# Altium PCB OpenRec.PcbDoc (part 4 of 4) (continued)
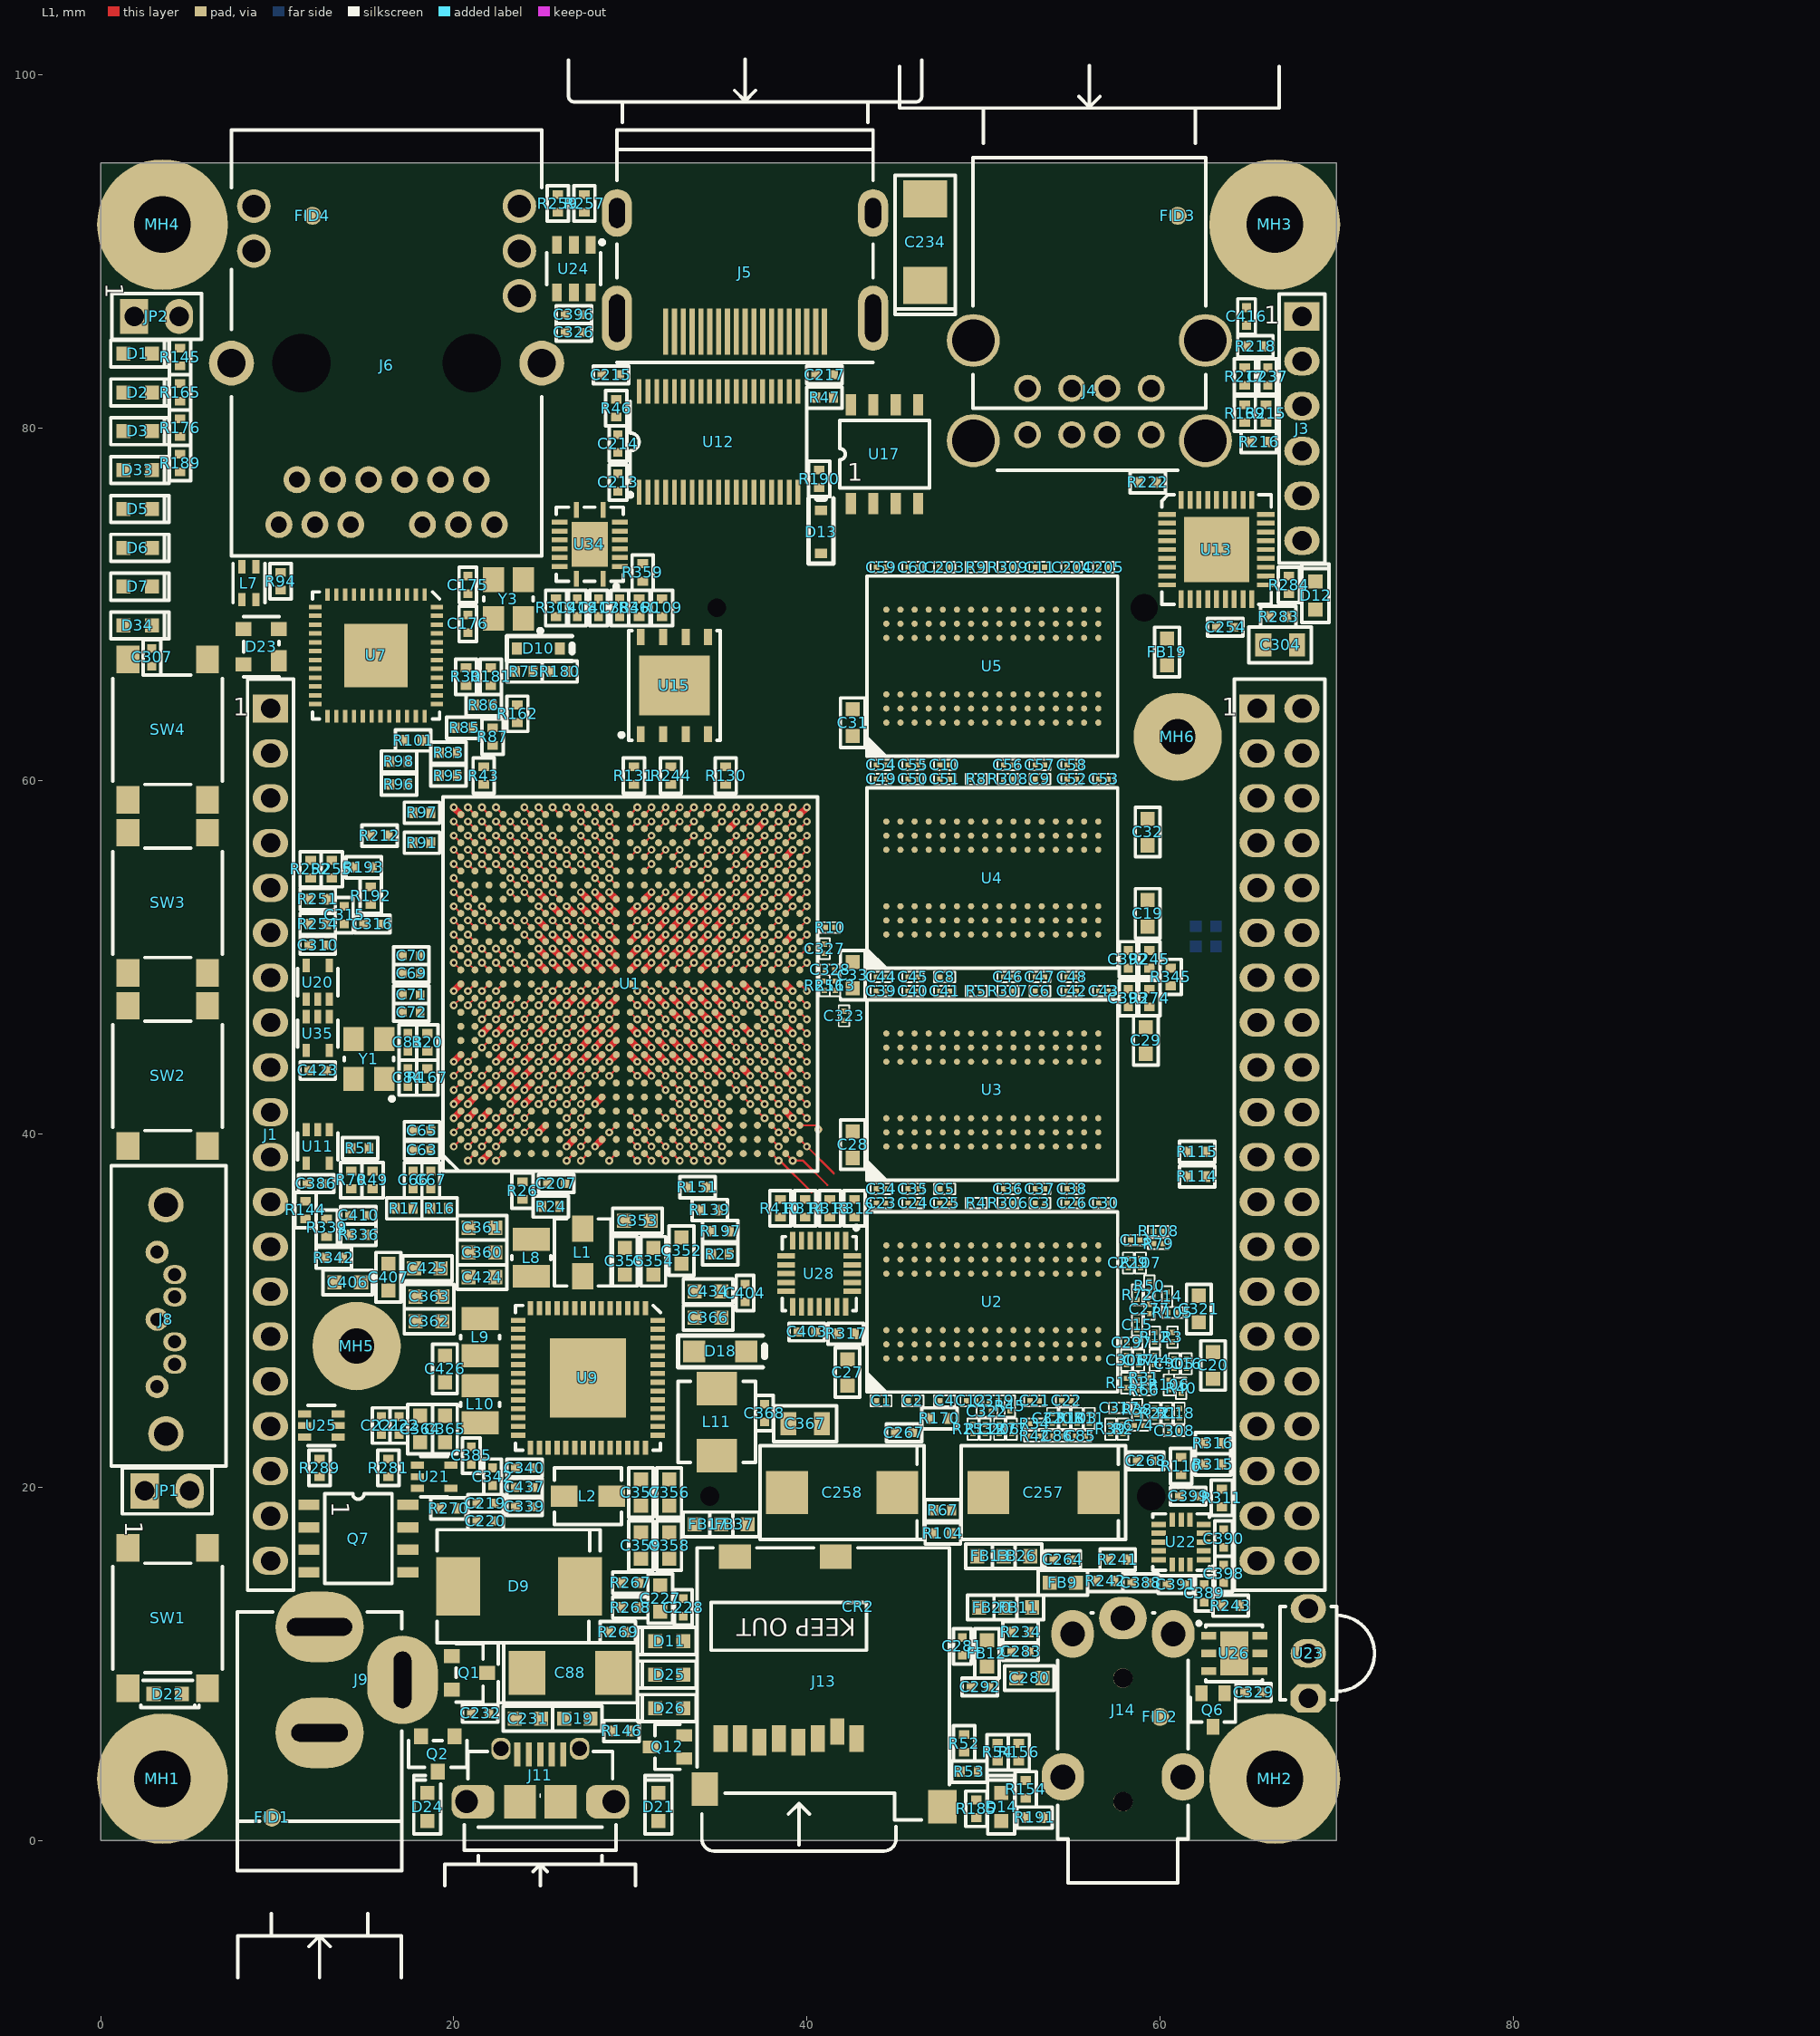
[diagram p0: L1 view]
## Nets (pads, with @x,y where several pads share a name; then routed paths per layer and width w, separated by ;. In a path a pad name is that pad's centre, name@x,y a point inside that pad or via, vN(x,y) a via of type N, cw(c..) or ccw(c..) an arc to the next point about the centre after c; other vN are vias at no path point) (continued)
GPIO_OR_CLK: J2.7 U1.A17 | length 0.6
  L1 w0.12: v1(20,52.1) U1.A17@20.4,51.7
GPIO_OR_PWM_1: J2.29 U1.R22 | length 0.6
  L1 w0.12: U1.R22@31.6,55.7 v1(32,56.1)
GPIO_OR_PWM_2: R368.1 R369.1 U1.T25 | length 0.6
  L1 w0.12: U1.T25@32.4,58.1 v1(32.8,58.5)
GPIO_OR_PWM_3: J2.32 U1.B19 | length 0.6
  L1 w0.12: v1(20.8,53.7) U1.B19@21.2,53.3
GPIO_OR_PWM_4: J2.33 U1.F17 | length 0.6
  L1 w0.12: v1(24,52.1) U1.F17@24.4,51.7
GYRO_CS_B: R317.2 U28.17
GYRO_INT: R313.2 R314.2 R410.1 U1.N24 | length 0.6
  L1 w0.12: U1.N24@30,57.3 v1(30.4,57.7)
GYRO_INT1: R314.1 U28.3
GYRO_PWR_CTRL: R312.2 R313.1 U28.2
GYRO_RST: R318.2 R383.2 U28.4
HDMI_CEC: R25.1 U1.W4 | length 0.6
  L1 w0.12: U1.W4@34.8,41.3 v1(35.2,40.9)
HDMI_CEC_CON: J5.13 R190.2 U12.23
HDMI_CEC_IN: R24.2 R25.2 R118.1 U12.16
HDMI_CLK_N: J5.12 U1.J5 U12.15 U12.24 | length 0.6
  L1 w0.1: v1(26.4,41.7) U1.J5@26.8,42.1
HDMI_CLK_P: J5.10 U1.J6 U12.13 U12.26 | length 0.6
  L1 w0.1: v1(26.4,42.5) U1.J6@26.8,42.9
HDMI_D0_N: J5.9 U1.K5 U12.12 U12.27 | length 0.6
  L1 w0.1: v1(27.2,41.7) U1.K5@27.6,42.1
HDMI_D0_P: J5.7 U1.K6 U12.10 U12.29 | length 0.6
  L1 w0.1: v1(27.2,42.5) U1.K6@27.6,42.9
HDMI_D1_N: J5.6 U1.J3 U12.9 U12.30 | length 0.6
  L1 w0.1: v1(26.4,40.1) U1.J3@26.8,40.5
HDMI_D1_P: J5.4 U1.J4 U12.7 U12.32 | length 0.6
  L1 w0.1: v1(26.4,40.9) U1.J4@26.8,41.3
HDMI_D2_N: J5.3 U1.K3 U12.6 U12.33 | length 0.6
  L1 w0.1: v1(27.2,40.1) U1.K3@27.6,40.5
HDMI_D2_P: J5.1 U1.K4 U12.4 U12.35 | length 0.6
  L1 w0.1: v1(27.2,40.9) U1.K4@27.6,41.3
HDMI_DDC: R24.1 R26.2 U1.K2 | length 0.6
  L1 w0.12: v1(27.2,39.3) U1.K2@27.6,39.7
HDMI_ESD_BYP: C215.1 U12.37
HDMI_HPD: R23.2 R357.2 U33.4
HDMI_HPD_BUFF: R356.1 R357.1 U12.19 U33.2
HDMI_HPD_CON: C217.1 J5.19 R47.2 U12.20
HDMI_HPD_R: C207.1 R21.1 R23.1 R157.2 U1.K1 | length 0.6
  L1 w0.12: v1(27.2,38.5) U1.K1@27.6,38.9
HDMI_RESREF: R32.2 U1.J1 | length 0.6
  L1 w0.12: v1(26.4,38.5) U1.J1@26.8,38.9
HDMI_SCL_CON: J5.15 R183.1
HDMI_SCL_CON_R: R183.2 R188.1 U12.22
HDMI_SDA_CON: J5.16 R184.1
HDMI_SDA_CON_R: R184.2 R187.1 U12.21
HP_OUT_L: C285.1 C289.1 C290.2 FB22.1 R231.2
HP_OUT_R: C284.1 C288.1 C291.2 FB21.1 R230.2
HUB_CFG_SEL0: R221.2 U13.24
HUB_CFG_SEL1: R220.2 U13.25
HUB_CRFILT: C254.1 U13.14
HUB_LED: D12.2 R219.1
HUB_NON_REM1: R224.2 U13.22
HUB_PLLFILT: C253.1 U13.34
HUB_RBIAS: R222.1 U13.35
HUB_RESETN: C416.1 R217.1 R218.1 U13.26
HUB_VBUS_DET: R169.1 R215.2 R216.1 U13.27
HUB_XTALIN: C415.1 R358.2 U13.33 Y4.3
HUB_XTALOUT: C242.1 R358.1 U13.32 Y4.1
I2C1_SCL: R132.1 R238.1 R278.1 U1.H20 U18.6 U22.4 U28.11 | length 0.6
  L1 w0.12: v1(25.6,54.5) U1.H20@26,54.1
I2C1_SCL_CON: J1.6 R278.2 R279.2
I2C1_SCL_MCU: R279.1 R291.1 U6.10
I2C1_SCL_PMIC: R238.2 TP18.1 U9.54
I2C1_SDA: R28.1 R247.1 R276.1 U1.G23 U18.5 U22.6 U28.12 | length 0.6
  L1 w0.12: v1(24.8,56.9) U1.G23@25.2,56.5
I2C1_SDA_CON: J1.5 R276.2 R277.2
I2C1_SDA_MCU: R277.1 R290.1 U6.11
I2C1_SDA_PMIC: R247.2 TP21.1 U9.53
I2C2_CSI_SCL: J12.13 R53.1 R154.2 R191.2
I2C2_CSI_SDA: J12.14 R52.1 R54.2 R156.2
I2C2_SCL: J2.28 J15.30 R134.1 R154.1 U1.U5 U12.17 U14.29 U24.1 U26.6 | length 0.6
  L1 w0.12: U1.U5@33.2,42.1 v1(33.6,41.7)
I2C2_SDA: J2.27 J15.32 R133.1 R156.1 U1.T7 U12.18 U14.27 U24.6 U26.1 | length 0.6
  L1 w0.12: U1.T7@32.4,43.7 v1(32.8,43.3)
I2C3_CSI1_SCL: J7.40 R196.1
I2C3_CSI1_SDA: J7.39 R195.1
I2C3_SCL: J2.5 R142.1 R196.2 U1.R4 | length 0.6
  L1 w0.12: U1.R4@31.6,41.3 v1(32,40.9)
I2C3_SDA: J2.3 R137.1 R195.2 U1.R2 | length 0.6
  L1 w0.12: U1.R2@31.6,39.7 v1(32,39.3)
IR_RCV: U1.A20 U23.1 | length 0.6
  L1 w0.12: v1(20,54.5) U1.A20@20.4,54.1
JTAG_MOD: R61.2 U1.H6 | length 0.6
  L1 w0.12: v1(25.6,42.5) U1.H6@26,42.9
JTAG_NTRST: R62.1 TP1.1 U1.C2 | length 0.6
  L1 w0.12: v1(21.6,39.3) U1.C2@22,39.7
JTAG_TCK: R92.2 TP12.1
JTAG_TCK_R: R92.1 U1.H5 | length 0.6
  L1 w0.12: v1(25.6,41.7) U1.H5@26,42.1
JTAG_TDI: R90.2 TP2.1
JTAG_TDI_R: R63.1 R90.1 U1.G5 | length 0.6
  L1 w0.12: v1(24.8,41.7) U1.G5@25.2,42.1
JTAG_TDO: R161.2 TP13.1
JTAG_TDO_R: R161.1 U1.G6 | length 0.6
  L1 w0.12: v1(24.8,42.5) U1.G6@25.2,42.9
JTAG_TMS: R64.1 TP5.1 U1.C3 | length 0.6
  L1 w0.12: v1(21.6,40.1) U1.C3@22,40.5
LED1: R82.1 R94.1 U7.17
LED2: R81.1 R102.2 U7.15
LED_MPCIE_WLAN: J15.44 R268.1
LED_MPCIE_WPAN: J15.46 R269.1
LED_MPCIE_WWAN: J15.42 R267.1
"LOCAL_PWR / NON_REM0": R219.2 R223.2 U13.28
LVDS0_CLK_N: R135.1 U1.V4 | length 0.6
  L1 w0.1: U1.V4@34,41.3 v1(34.4,40.9)
LVDS0_CLK_P: R138.1 U1.V3 | length 0.6
  L1 w0.1: U1.V3@34,40.5 v1(34.4,40.1)
LVDS0_CLK_R_N: J12.11 R129.2 R135.2
LVDS0_CLK_R_P: J12.12 R136.2 R138.2
LVDS0_TX0_N: R65.1 U1.U2 | length 0.6
  L1 w0.1: U1.U2@33.2,39.7 v1(33.6,39.3)
LVDS0_TX0_P: R119.1 U1.U1 | length 0.6
  L1 w0.1: U1.U1@33.2,38.9 v1(33.6,38.5)
LVDS0_TX1_N: R121.1 U1.U4 | length 0.6
  L1 w0.1: U1.U4@33.2,41.3 v1(33.6,40.9)
LVDS0_TX1_P: R123.1 U1.U3 | length 0.6
  L1 w0.1: U1.U3@33.2,40.5 v1(33.6,40.1)
LVDS0_TX2_N: R126.1 U1.V2 | length 0.6
  L1 w0.1: U1.V2@34,39.7 v1(34.4,39.3)
LVDS0_TX2_P: R128.1 U1.V1 | length 0.6
  L1 w0.1: U1.V1@34,38.9 v1(34.4,38.5)
LVDS0_TX3_N: TP19.1 U1.W2 | length 0.6
  L1 w0.1: U1.W2@34.8,39.7 v1(35.2,39.3)
LVDS0_TX3_P: TP20.1 U1.W1 | length 0.6
  L1 w0.1: U1.W1@34.8,38.9 v1(35.2,38.5)
MCU_BTN: C314.1 D35.1 R149.1 R390.2
MCU_GPIO0: R227.1 U6.12
MCU_GPIO1: R228.1 U6.28
MCU_GPIO2: R148.1 R205.2 R273.1 U6.9
MCU_ISPN: R204.2 R213.1 U1.B21 | length 0.6
  L1 w0.12: v1(20.8,55.3) U1.B21@21.2,54.9
MCU_RSTINN: R212.1 U1.A21 U21.1 U21.2 | length 0.6
  L1 w0.12: v1(20,55.3) U1.A21@20.4,54.9
MCU_RSTINN_BUFF: R270.1 R281.1 U6.2 U21.4
MCU_RSTOUTN: R93.1 U6.16
MCU_RSTOUTN_R: R69.1 R93.2 R271.2 U8.2
MCU_SWDIO: TP31.1 U1.P1 U25.3 | length 0.6
  L1 w0.12: U1.P1@30.8,38.9 v1(31.2,38.5)
MCU_SWDIO_SEL: R289.1 U1.N2 U25.6 | length 0.6
  L1 w0.12: U1.N2@30,39.7 v1(30.4,39.3)
MCU_XTALIN: C223.2 U6.4 Y5.1
MCU_XTALOUT: C224.2 U6.5 Y5.3
MIC_BIAS: C293.1 R235.1 U14.16
MIC_IN: C294.1 U14.15
MIC_IN_C: C294.2 FB18.1 R235.2
MIC_LINEIN_L: TP7.1 U14.14
MIC_LINEIN_R: TP41.1 U14.13
MPCIE_SIM_C4: J17.C4 R104.1
MPCIE_SIM_C4_R: J15.19 R104.2
MPCIE_SIM_C8: J17.C8 R67.1
MPCIE_SIM_C8_R: J15.17 R67.2
MPCIE_SIM_CLK: D15.4 J15.12 J17.C3
MPCIE_SIM_DATA: D15.5 J15.10 J17.C7
MPCIE_SIM_RST: D15.1 J15.14 J17.C2
NetC284_2: C284.2 R232.2
NetC285_2: C285.2 R233.2
NetC382_1: C382.1 D39.1 R141.1 R348.1
NetC390_2: C390.2 R311.1 U22.3
NetC411_1: C411.1 R344.2
NetC433_1: C433.1 R408.2
NetD11_1: D11.1 R267.2
NetD13_1: D13.1 R190.1
NetD14_1: D14.1 R185.1
NetD25_1: D25.1 R268.2
NetD26_1: D26.1 R269.2
NetJ5_14: J5.14 R182.1
NetQ5_3: Q5.3 R186.2
NetQ6_3: Q6.3 R185.2
NetQ10_1: Q10.1 R293.2
NetQ14_3: Q14.3 R387.1
NetR100_1: R100.1 R293.1 U27.1
NetR109_2: R109.2 U15.7
NetR244_1: R244.1 U15.3
NetR292_1: R292.1 R296.2 U27.2
ON_OFF: R48.1 TP3.1 U1.D12 | length 0.6
  L1 w0.12: v1(22.4,47.3) U1.D12@22.8,47.7
PCIE_C_TX_N: C63.1 U1.A3 | length 0.6
  L1 w0.114: v1(20,40.1) U1.A3@20.4,40.5
PCIE_C_TX_P: C65.1 U1.B3 | length 0.6
  L1 w0.114: v1(20.8,40.1) U1.B3@21.2,40.5
PCIE_CLK_C_N: C66.1 U1.C7 | length 0.6
  L1 w0.1: v1(21.6,43.3) U1.C7@22,43.7
PCIE_CLK_C_P: C67.1 U1.D7 | length 0.6
  L1 w0.1: v1(22.4,43.3) U1.D7@22.8,43.7
PCIE_CLK_N: C66.2 J15.11 R17.2
PCIE_CLK_P: C67.2 J15.13 R16.2
PCIE_REXT: R37.2 U1.A2 | length 0.6
  L1 w0.12: v1(20,39.3) U1.A2@20.4,39.7
PCIE_RSTN: J15.22 R158.2 R170.1
PCIE_RSTN_R: R170.2 U1.V5 | length 0.6
  L1 w0.12: U1.V5@34,42.1 v1(34.4,41.7)
PCIE_RX_N: J15.23 U1.B1 | length 0.6
  L1 w0.114: v1(20.8,38.5) U1.B1@21.2,38.9
PCIE_RX_P: J15.25 U1.B2 | length 0.6
  L1 w0.114: v1(20.8,39.3) U1.B2@21.2,39.7
PCIE_TX_N: C63.2 J15.31
PCIE_TX_P: C65.2 J15.33
PCIE_WAKE: J15.1 R197.1 U1.P3 | length 0.6
  L1 w0.12: U1.P3@30.8,40.5 v1(31.2,40.1)
PCIE_WDISN: J15.20 R116.1 U1.R1 | length 0.6
  L1 w0.12: U1.R1@31.6,38.9 v1(32,38.5)
PHASE_1V375: L12.1 U30.13 U30.14 U30.15
PHASE_3V3_HDR: L13.1 U36.13 U36.14 U36.15
PMIC_INT: R236.2 R263.1 U1.T24 U9.1 | length 0.6
  L1 w0.12: U1.T24@32.4,57.3 v1(32.8,57.7)
PMIC_ON_REQ: D29.1 R73.1 U1.D11 | length 0.6
  L1 w0.12: v1(22.4,46.5) U1.D11@22.8,46.9
PMIC_SDWNB: R236.1 R264.1 U9.2
PMIC_STBY_REQ: D28.2 D36.2 R237.2 R385.1 U9.4
PMIC_STBY_REQ_CPU: D28.1 R266.1 U1.F11 | length 0.6
  L1 w0.12: v1(24,46.5) U1.F11@24.4,46.9
PMIC_VDDOTP: C376.1 R261.1 R265.2 TP17.1 U9.47
PMIC_VHALF: C340.2 C342.1 U9.29
POK_1V375_OPT: R351.1 U30.3
POK_3V3_OPT: R333.1 R405.1 U36.3
POK_PMIC: R177.1 R229.1 R404.2 U9.3
POK_SYS: Q4.1 R177.2 R272.1 R333.2 R351.2 U10.2 U32.9
POR_BN: D10.1 R70.1 R158.1 R178.2 R225.1 R350.1 U1.C11 U31.1 | length 0.6
  L1 w0.12: v1(21.6,46.5) U1.C11@22,46.9
POR_CT: C413.1 U31.4
POR_R_BN: R350.2 U10.4 U31.3
PWM2_OUT_R: J2.31 R367.2 R369.2
PWR_LED_GRN_D: D22.1 R379.1
PWR_LED_GRN_Q: Q4.3 R379.2
PWR_SEL: J9.3 JP1.2
PWRON: D29.2 D39.2 R262.1 TP6.1 U9.56
RGMII_INT: R88.2 R89.1 TP27.1 U1.W22 U7.38 | length 0.6
  L1 w0.12: U1.W22@34.8,55.7 v1(35.2,56.1)
RGMII_INT_R: R88.1 U1.V21 | length 0.6
  L1 w0.12: U1.V21@34,54.9 v1(34.4,55.3)
RGMII_MDC: R85.1 R87.1 U1.V20 | length 0.6
  L1 w0.12: U1.V20@34,54.1 v1(34.4,54.5)
RGMII_MDIO: R86.1 R162.1 U1.V23 | length 0.6
  L1 w0.12: U1.V23@34,56.5 v1(34.4,56.9)
RGMII_R_MDC: R85.2 U7.36
RGMII_R_MDIO: R86.2 U7.37
RGMII_R_RXCLK: R83.2 R101.2 U7.35
RGMII_R_TXCLK: R35.1 U1.D21 | length 0.6
  L1 w0.12: v1(22.4,55.3) U1.D21@22.8,54.9
RGMII_RSTN: D10.2 R75.1 R180.1 U7.42
RGMII_RSTN_R: R180.2 U1.U21 | length 0.6
  L1 w0.12: U1.U21@33.2,54.9 v1(33.6,55.3)
RGMII_RXCLK: R83.1 U1.B25 | length 0.6
  L1 w0.12: v1(20.8,58.5) U1.B25@21.2,58.1
RGMII_RXD0: R98.1 U1.C24 U7.32 | length 0.6
  L1 w0.12: v1(21.6,57.7) U1.C24@22,57.3
RGMII_RXD1: R97.1 U1.B23 U7.31 | length 0.6
  L1 w0.12: v1(20.8,56.9) U1.B23@21.2,56.5
RGMII_RXD2: R96.1 U1.B24 U7.28 | length 0.6
  L1 w0.12: v1(20.8,57.7) U1.B24@21.2,57.3
RGMII_RXD3: R95.1 U1.D23 U7.27 | length 0.6
  L1 w0.12: v1(22.4,56.9) U1.D23@22.8,56.5
RGMII_RXDV: R91.1 U1.D22 U7.33 | length 0.6
  L1 w0.12: v1(22.4,56.1) U1.D22@22.8,55.7
RGMII_TXCLK: R35.2 U7.24
RGMII_TXD0: U1.C22 U7.19 | length 0.6
  L1 w0.12: v1(21.6,56.1) U1.C22@22,55.7
RGMII_TXD1: U1.F20 U7.20 | length 0.6
  L1 w0.12: v1(24,54.5) U1.F20@24.4,54.1
RGMII_TXD2: U1.E21 U7.21 | length 0.6
  L1 w0.12: v1(23.2,55.3) U1.E21@23.6,54.9
RGMII_TXD3: U1.A24 U7.22 | length 0.6
  L1 w0.12: v1(20,57.7) U1.A24@20.4,57.3
RGMII_TXEN: U1.C23 U7.25 | length 0.6
  L1 w0.12: v1(21.6,56.9) U1.C23@22,56.5
RST_BTN_HDR: J1.15 R140.1 R141.2 R347.1 SW1.1 SW1.2
RSTINN: R68.1 R348.2 U8.1
RSTINN_BUFF: R59.1 U8.4 U10.1
RSTOUTN: J1.14 R144.2 R155.2 R218.2 R281.2 R318.1 U11.4 U29.2
RSTOUTN_BUFF: R51.2 R70.2 U11.1 U11.2
RSTOUTN_R: R49.1 R51.1 U1.H19 | length 0.6
  L1 w0.12: v1(25.6,53.7) U1.H19@26,53.3
RTC_XTALI: C211.1 R168.1 U1.D9 Y2.1 | length 0.6
  L1 w0.12: v1(22.4,44.9) U1.D9@22.8,45.3
RTC_XTALO: C212.1 R168.2 U1.C9 Y2.2 | length 0.6
  L1 w0.12: v1(21.6,44.9) U1.C9@22,45.3
SATA_C_RX_N: C69.1 U1.A14 | length 0.6
  L1 w0.1: v1(20,49.7) U1.A14@20.4,49.3
SATA_C_RX_P: C70.1 U1.B14 | length 0.6
  L1 w0.1: v1(20.8,49.7) U1.B14@21.2,49.3
SATA_C_TX_N: C71.1 U1.B12 | length 0.6
  L1 w0.1: v1(20.8,47.3) U1.B12@21.2,47.7
SATA_C_TX_P: C72.1 U1.A12 | length 0.6
  L1 w0.1: v1(20,47.3) U1.A12@20.4,47.7
SATA_REXT: R99.2 U1.C14 | length 0.6
  L1 w0.12: v1(21.6,49.7) U1.C14@22,49.3
SATA_RX_N: C69.2 J8.5
SATA_RX_P: C70.2 J8.6
SATA_TX_N: C71.2 J8.3
SATA_TX_P: C72.2 J8.2
SD2_ACT: Q6.1 U1.T3 | length 0.6
  L1 w0.12: U1.T3@32.4,40.5 v1(32.8,40.1)
SD2_CD: Q3.3 R150.1 U1.R6 | length 0.6
  L1 w0.12: U1.R6@31.6,42.9 v1(32,42.5)
SD2_CDN: J13.9 J13.10 Q3.1 R201.1
SD2_CLK: J13.5 R153.2
SD2_CLK_R: R153.1 U1.C21 | length 0.6
  L1 w0.12: v1(21.6,55.3) U1.C21@22,54.9
SD2_CMD: J13.3 R143.1 R152.2
SD2_CMD_R: R152.1 U1.F19 | length 0.6
  L1 w0.12: v1(24,53.7) U1.F19@24.4,53.3
SD2_DATA0: J13.7 U1.A22 | length 0.6
  L1 w0.12: v1(20,56.1) U1.A22@20.4,55.7
SD2_DATA1: J13.8 U1.E20 | length 0.6
  L1 w0.12: v1(23.2,54.5) U1.E20@23.6,54.1
SD2_DATA2: J13.1 U1.A23 | length 0.6
  L1 w0.12: v1(20,56.9) U1.A23@20.4,56.5
SD2_DATA3: J13.2 U1.B22 | length 0.6
  L1 w0.12: v1(20.8,56.1) U1.B22@21.2,55.7
SD2_WP: R139.2 R151.1 U1.T1 | length 0.6
  L1 w0.12: U1.T1@32.4,38.9 v1(32.8,38.5)
SENSE_1V5: R302.1 R303.2 U31.5
SPLIT: C313.1 R246.1 R248.2 R249.2
SPLIT_R: R248.1 U19.5
SS_1V375: R342.2 U30.7
SS_3V3_HDR: R406.2 U36.7
STBY_OR_USER_LED_3: D36.1 R391.1 U6.7
SW1CFB: R384.2 U9.13
SW1CLX: L8.2 U9.11
SW1LX: L1.1 U9.8 U9.9
SW2LX: L10.1 U9.22
SW3LX: L2.1 U9.35 U9.36
SW4LX: L9.1 U9.21
SW_EP: U32.3 U32.4 U32.5 U32.6 U32.14
SWBSTLX: D18.2 L11.2 U9.46
SYNC_1V375: R335.1 R338.2 U30.4
SYNC_3V3_HDR: R398.1 R401.2 U36.4
TAMPER: R55.1 U1.E11 | length 0.6
  L1 w0.12: v1(23.2,46.5) U1.E11@23.6,46.9
TCT0: C272.2 J6.12
TCT1: C274.2 J6.6
TCT2: C275.2 J6.1
TCT3: C276.2 J6.7
TEMP_ADD0: R258.2 R259.2 U24.5
TEMP_ALERT: R257.1 U1.E24 U24.3 | length 0.6
  L1 w0.12: v1(23.2,57.7) U1.E24@23.6,57.3
TEST_MODE: R56.2 U1.E12 | length 0.6
  L1 w0.12: v1(23.2,47.3) U1.E12@23.6,47.7
TRD0_N: J6.10 U7.3
TRD0_P: J6.11 U7.2
TRD1_N: J6.5 U7.6
TRD1_P: J6.4 U7.5
TRD2_N: J6.2 U7.8
TRD2_P: J6.3 U7.7
TRD3_N: J6.9 U7.11
TRD3_P: J6.8 U7.10
TS_X+: C177.1 D37.5 FB15.2 J10.1
TS_X+_B: FB15.1 R393.2 U6.21
TS_X-: C178.1 D37.1 FB25.2 J10.2
TS_X-_B: FB25.1 R394.2 U6.22
TS_Y+: C210.1 D37.4 FB28.2 J10.4
TS_Y+_B: FB28.1 R396.2 U6.24
TS_Y-: C179.1 D37.3 FB27.2 J10.3
TS_Y-_B: FB27.1 R395.2 U6.23
UART1_CTS: Q8.4 R60.1 R375.1 U1.G21 | length 0.6
  L1 w0.12: v1(24.8,55.3) U1.G21@25.2,54.9
UART1_CTS_FTDI: D31.1 J3.6 Q8.3 R60.2
UART1_RTS: Q11.1 R376.1 R378.1 U1.G20 | length 0.6
  L1 w0.12: v1(24.8,54.5) U1.G20@25.2,54.1
UART1_RTS_FTDI: D32.1 J3.2 Q11.6 R377.1 R378.2
UART1_RXD: Q8.1 R370.1 R373.1 U1.M3 | length 0.6
  L1 w0.12: v1(28.8,40.1) U1.M3@29.2,40.5
UART1_RXD_FTDI: D4.1 J3.4 Q8.6 R373.2
UART1_TXD: Q11.4 R371.1 R374.1 U1.M1 | length 0.6
  L1 w0.12: v1(28.8,38.5) U1.M1@29.2,38.9
UART1_TXD_FTDI: D8.1 J3.5 Q11.3 R372.1 R374.2
UART2_RXD: TP30.1 U1.D13 U6.32 | length 0.6
  L1 w0.12: v1(22.4,48.1) U1.D13@22.8,48.5
UART2_TXD: TP29.1 U1.C13 U6.31 | length 0.6
  L1 w0.12: v1(21.6,48.1) U1.C13@22,48.5
UART3_CTS: J2.36 U1.D25 | length 0.6
  L1 w0.12: v1(22.4,58.5) U1.D25@22.8,58.1
UART3_RTS: J2.11 U1.F23 | length 0.6
  L1 w0.12: v1(24,56.9) U1.F23@24.4,56.5
UART3_RXD: J2.10 U1.G22 | length 0.6
  L1 w0.12: v1(24.8,56.1) U1.G22@25.2,55.7
UART3_TXD: J2.8 U1.F22 | length 0.6
  L1 w0.12: v1(24,56.1) U1.F22@24.4,55.7
UART4_RXD: J2.13 U1.V6 | length 0.6
  L1 w0.12: U1.V6@34,42.9 v1(34.4,42.5)
UART4_TXD: R366.1 R367.1 U1.W5 | length 0.6
  L1 w0.12: U1.W5@34.8,42.1 v1(35.2,41.7)
UART4_TXD_R: J2.12 R366.2 R368.2
UART5_RXD: J2.18 U1.U6 | length 0.6
  L1 w0.12: U1.U6@33.2,42.9 v1(33.6,42.5)
UART5_TXD: J2.22 U1.U7 | length 0.6
  L1 w0.12: U1.U7@33.2,43.7 v1(33.6,43.3)
USB0_CHD: TP26.1 U1.B8 | length 0.6
  L1 w0.12: v1(20.8,44.1) U1.B8@21.2,44.5
USB0_ID: D19.1 J11.4 R198.1 R199.2 U1.T4 U16.2 | length 0.6
  L1 w0.12: U1.T4@32.4,41.3 v1(32.8,40.9)
USB0_ID_BUFF: D27.1 U16.4
USB0_ID_BUFF_EN: R304.2 R305.2 U1.H21 | length 0.6
  L1 w0.12: v1(25.6,55.3) U1.H21@26,54.9
USB0_ID_BUFF_EN_R: R155.1 R304.1 U16.1
USB0_N: R322.2 R323.2 U1.B6 | length 0.6
  L1 w0.114: v1(20.8,42.5) U1.B6@21.2,42.9
USB0_OTG_L_N: D16.2 J11.2 L4.2
USB0_OTG_L_P: D16.4 J11.3 L4.1
USB0_OTG_N: L4.3 R323.1
USB0_OTG_P: L4.4 R326.1
USB0_P: R325.2 R326.2 U1.A6 | length 0.6
  L1 w0.114: v1(20,42.5) U1.A6@20.4,42.9
USB1_HUB_N: R329.1 U13.30
USB1_HUB_P: R332.1 U13.31
USB1_N: R328.2 R329.2 U1.F10 | length 0.6
  L1 w0.114: v1(24,45.7) U1.F10@24.4,46.1
USB1_P: R331.2 R332.2 U1.E10 | length 0.6
  L1 w0.114: v1(23.2,45.7) U1.E10@23.6,46.1
USB_BOT_L_N: D17.2 J4.2 L3.1
USB_BOT_L_P: D17.4 J4.3 L3.2
USB_BOT_N: L3.4 R327.1 R328.1
USB_BOT_P: L3.3 R330.1 R331.1
USB_CONNECT_OR_USER_LED_2: R388.1 R389.1 U6.15
USB_CONNECTN: Q14.1 R386.1 R388.2
USB_HDR_L_N: D23.2 J1.2 L7.2
USB_HDR_L_P: D23.4 J1.3 L7.1
USB_HDR_N: L7.3 R194.2 R207.1
USB_HDR_P: L7.4 R297.2 R298.1
USB_MCU_N: R207.2 R294.2 R299.2
USB_MCU_P: R295.1 R298.2 R300.2 R387.2
USB_MCU_R_N: R299.1 U6.13
USB_MCU_R_P: R300.1 U6.14
USB_MPCIE_L_N: J15.36 L6.1
USB_MPCIE_L_P: J15.38 L6.2
USB_MPCIE_N: L6.4 U13.8
USB_MPCIE_OC: R284.2 U13.21
USB_MPCIE_P: L6.3 U13.9
USB_OC: R260.1 U1.R7 U1.T6 | length 1.1
  L1 w0.12: U1.R7@31.6,43.7 v1(32,43.3) ; U1.T6@32.4,42.9 v1(32.8,42.5)
USB_OTG_EN: D27.2 JP1.1 Q1.1 Q2.1 R174.2 R214.1
USB_TOP_L_N: D20.2 J4.6 L5.2
USB_TOP_L_P: D20.4 J4.7 L5.1
USB_TOP_N: L5.3 R321.1 R322.1
USB_TOP_P: L5.4 R324.1 R325.1
USBDN1_N: R327.2 U13.1
USBDN1_OC: R285.1 U13.13 U17.2
USBDN1_P: R330.2 U13.2
USBDN1_PWR_EN: U13.12 U17.1
USBDN2_N: R321.2 U13.3
USBDN2_OC: R286.1 U13.17 U17.3
USBDN2_P: R324.2 U13.4
USBDN2_PWR_EN: U13.16 U17.4
USBDN3_N: R194.1 R294.1 U13.6
USBDN3_OC: R283.2 U13.19
USBDN3_P: R295.2 R297.1 U13.7
USER_BTN_1: D35.2 R381.1 U1.C15 | length 0.6
  L1 w0.12: v1(21.6,50.5) U1.C15@22,50.1
USER_BTN_1_R: R147.1 R149.2 R380.1 SW2.1 SW2.2
USER_BTN_2: C315.1 R254.1 U1.A16 | length 0.6
  L1 w0.12: v1(20,51.3) U1.A16@20.4,50.9
USER_BTN_2_R: R251.1 R254.2 SW3.1 SW3.2
USER_BTN_3: C316.1 R255.1 U1.E15 | length 0.6
  L1 w0.12: v1(23.2,50.5) U1.E15@23.6,50.1
USER_BTN_3_R: R252.1 R255.2 SW4.1 SW4.2
USER_LED: Q12.1 U1.E19 | length 0.6
  L1 w0.12: v1(23.2,53.7) U1.E19@23.6,53.3
USER_LED_1: R145.2 U1.A18 U6.30 | length 0.6
  L1 w0.12: v1(20,52.9) U1.A18@20.4,52.5
USER_LED_2: R165.2 R389.2 U1.C17 | length 0.6
  L1 w0.12: v1(21.6,52.1) U1.C17@22,51.7
USER_LED_3: R176.2 R391.2 U1.F16 | length 0.6
  L1 w0.12: v1(24,51.3) U1.F16@24.4,50.9
USER_LED_4: R189.2 R392.2 U1.D17 | length 0.6
  L1 w0.12: v1(22.4,52.1) U1.D17@22.8,51.7
USER_LED_5: R192.2 U1.A19 | length 0.6
  L1 w0.12: v1(20,53.7) U1.A19@20.4,53.3
USER_LED_6: R193.2 U1.B18 | length 0.6
  L1 w0.12: v1(20.8,52.9) U1.B18@21.2,52.5
USER_LED_7: R200.2 U1.E17 | length 0.6
  L1 w0.12: v1(23.2,52.1) U1.E17@23.6,51.7
USER_LED_8: R202.2 U1.C18 | length 0.6
  L1 w0.12: v1(21.6,52.9) U1.C18@22,52.5
USER_LED_CPU_D: D21.1 R146.1
USER_LED_CPU_Q: Q12.3 R146.2
USER_LED_D_1: D1.1 R145.1
USER_LED_D_2: D2.1 R165.1
USER_LED_D_3: D3.1 R176.1
USER_LED_D_4: D33.1 R189.1
USER_LED_D_5: D5.1 R192.1
USER_LED_D_6: D6.1 R193.1
USER_LED_D_7: D7.1 R200.1
USER_LED_D_8: D34.1 R202.1
USER_LED_MCU: Q5.1 R204.1 U6.3
USER_LED_MCU_D: D24.1 R186.1
VID_IN_CSI1_D0: J7.9 U1.M21 | length 0.6
  L1 w0.12: v1(28.8,55.3) U1.M21@29.2,54.9
VID_IN_CSI1_D1: J7.10 U1.L24 | length 0.6
  L1 w0.12: v1(28,57.7) U1.L24@28.4,57.3
VID_IN_CSI1_D2: J7.11 U1.L25 | length 0.6
  L1 w0.12: v1(28,58.5) U1.L25@28.4,58.1
VID_IN_CSI1_D3: J7.12 U1.K25 | length 0.6
  L1 w0.12: v1(27.2,58.5) U1.K25@27.6,58.1
VID_IN_CSI1_D4: J7.14 U1.L23 | length 0.6
  L1 w0.12: v1(28,56.9) U1.L23@28.4,56.5
VID_IN_CSI1_D5: J7.15 U1.L22 | length 0.6
  L1 w0.12: v1(28,56.1) U1.L22@28.4,55.7
VID_IN_CSI1_D6: J7.16 U1.K24 | length 0.6
  L1 w0.12: v1(27.2,57.7) U1.K24@27.6,57.3
VID_IN_CSI1_D7: J7.17 U1.L21 | length 0.6
  L1 w0.12: v1(28,55.3) U1.L21@28.4,54.9
VID_IN_CSI1_D8: J7.19 U1.J25 | length 0.6
  L1 w0.12: v1(26.4,58.5) U1.J25@26.8,58.1
VID_IN_CSI1_D9: J7.20 U1.L20 | length 0.6
  L1 w0.12: v1(28,54.5) U1.L20@28.4,54.1
VID_IN_CSI1_D10: J7.21 U1.K23 | length 0.6
  L1 w0.12: v1(27.2,56.9) U1.K23@27.6,56.5
VID_IN_CSI1_D11: J7.22 U1.K21 | length 0.6
  L1 w0.12: v1(27.2,55.3) U1.K21@27.6,54.9
VID_IN_CSI1_D12: J7.24 U1.G24 | length 0.6
  L1 w0.12: v1(24.8,57.7) U1.G24@25.2,57.3
VID_IN_CSI1_D13: J7.25 U1.J22 | length 0.6
  L1 w0.12: v1(26.4,56.1) U1.J22@26.8,55.7
VID_IN_CSI1_D14: J7.26 U1.G25 | length 0.6
  L1 w0.12: v1(24.8,58.5) U1.G25@25.2,58.1
VID_IN_CSI1_D15: J7.27 U1.H22 | length 0.6
  L1 w0.12: v1(25.6,56.1) U1.H22@26,55.7
VID_IN_CSI1_D16: J7.29 U1.H23 | length 0.6
  L1 w0.12: v1(25.6,56.9) U1.H23@26,56.5
VID_IN_CSI1_D17: J7.30 U1.F24 | length 0.6
  L1 w0.12: v1(24,57.7) U1.F24@24.4,57.3
VID_IN_CSI1_D18: J7.31 U1.J21 | length 0.6
  L1 w0.12: v1(26.4,55.3) U1.J21@26.8,54.9
VID_IN_CSI1_D19: J7.32 U1.F25 | length 0.6
  L1 w0.12: v1(24,58.5) U1.F25@24.4,58.1
VID_IN_CSI1_DE: J7.34 U1.M22 | length 0.6
  L1 w0.12: v1(28.8,56.1) U1.M22@29.2,55.7
VID_IN_CSI1_HSYNC: J7.6 U1.M20 | length 0.6
  L1 w0.12: v1(28.8,54.5) U1.M20@29.2,54.1
VID_IN_CSI1_INT: J7.35 U1.K22 | length 0.6
  L1 w0.12: v1(27.2,56.1) U1.K22@27.6,55.7
VID_IN_CSI1_INT2: J7.36 U1.M23 | length 0.6
  L1 w0.12: v1(28.8,56.9) U1.M23@29.2,56.5
VID_IN_CSI1_PIXCLK: R275.1 U1.H25 | length 0.6
  L1 w0.12: v1(25.6,58.5) U1.H25@26,58.1
VID_IN_CSI1_PIXCLK_R: J7.4 R275.2
VID_IN_CSI1_RSTN: J7.37 R178.1 R179.1
VID_IN_CSI1_RSTN_R: R179.2 U1.N22 | length 0.6
  L1 w0.12: U1.N22@30,55.7 v1(30.4,56.1)
VID_IN_CSI1_VSYNC: J7.7 U1.M24 | length 0.6
  L1 w0.12: v1(28.8,57.7) U1.M24@29.2,57.3
WD_OUT: R271.1 U1.T2 | length 0.6
  L1 w0.12: U1.T2@32.4,39.7 v1(32.8,39.3)
ZQPAD: R10.1 U1.AE17 | length 0.6
  L1 w0.12: U1.AE17@39.6,51.7 v1(40,52.1)
pads on no net: FID1.1 FID2.1 FID3.1 FID4.1 FID5.1 FID6.1 FID7.1 FID8.1 J6. J14.5 J14.7 J15.3 J15.5 J15.7 J15.45 J15.47 J15.55 J15.56 J16.7 J16.8 U1.A9 U1.A10 U1.A11 U1.AA1 U1.AA2 U1.AA3 U1.AA4 U1.AA11 U1.AB1 U1.AB2 U1.AB17 U1.AD17 U1.B9 U1.B10 U1.B11 U1.B20 U1.C5 U1.C8 U1.C16 U1.C19 U1.C20 U1.D5 U1.D16 U1.D18 U1.D19 U1.D20 U1.E1 U1.E2 U1.E13 U1.E16 U1.E18 U1.E25 U1.F1 U1.F2 U1.F13 U1.F15 U1.F18 U1.G1 U1.G2 U1.G4 U1.H1 U1.H2 U1.H3 U1.H4 U1.H24 U1.J19 U1.J20 U1.J23 U1.J24 U1.K20 U1.L1 U1.L3 U1.L4 U1.L6 U1.M2 U1.M4 U1.M5 U1.M6 U1.N5 U1.N6 U1.N19 U1.N20 U1.N21 U1.N23 U1.P4 U1.P5 U1.P6 U1.P20 U1.R3 U1.R5 U1.R20 U1.R21 U1.R23 U1.T20 U1.T23 U1.U20 U1.U22 U1.V24 U1.W6 U1.W20 U1.W21 U1.W23 U1.Y1 U1.Y2 U1.Y3 U1.Y4 U2.J1 U2.J9 U2.L1 U3.J1 U3.J9 U3.L1 U4.J1 U4.J9 U4.L1 U5.J1 U5.J9 U5.L1 U7.43 U9.33 U13.18 U13.20 U14.8 U14.9 U14.11 U14.12 U14.17 U14.18 U14.19 U14.22 U14.28 U26.3 U26.4 U29.1 U33.1

## Polygon pours and split planes (outlines as drawn)
GND on L2 (split plane): 69.898,0.102 0.102,0.102 0.102,94.898 69.898,94.898
GND on L9 (split plane): 69.898,0.102 0.102,0.102 0.102,94.898 69.898,94.898

## Other copper
L10:
  rectangle net PWM2_OUT_R: 61.7,50.3 62.35,50.95
  region net UART4_TXD: 63.5,50.95 62.85,50.95 62.85,50.3 63.5,50.3
  region net UART4_TXD_R: 62.85,52.1 62.85,51.45 63.5,51.45 63.5,52.1
  region net GPIO_OR_PWM_2: 61.7,52.1 61.7,51.45 62.35,51.45 62.35,52.1

## Silkscreen, mask and mechanical layers (free items; w line width, h text height)
Bottom Paste:
  rectangle: 61.7,51.45 62.35,52.1
  rectangle: 62.85,51.45 63.5,52.1
  rectangle: 62.85,50.3 63.5,50.95
  rectangle: 61.7,50.3 62.35,50.95
Bottom Solder:
  rectangle: 61.6,50.2 62.45,51.05
  region: 63.6,51.05 62.75,51.05 62.75,50.2 63.6,50.2
  region: 62.75,52.2 62.75,51.35 63.6,51.35 63.6,52.2
  region: 61.6,52.2 61.6,51.35 62.45,51.35 62.45,52.2

## Text inside footprints (layer, text, board x,y; h text height)
J1: Bottom Overlay "1" at 8.8,66.3 h1.02; Top Overlay "1" at 7.5,63.7 h1.02
J2: Bottom Overlay "1" at 63.85,63.6 h1.02; Top Overlay "1" at 63.5,63.69 h1.02
J3: Top Overlay "1" at 65.9,85.9 h1.02
J5: Mechanical 1 "go over the board edge" at 7,88.1 h0.5 r90; Mechanical 1 "NOTE: Bottom plastic may" at 6.1,88.1 h0.5 r90
J7: Bottom Overlay "1" at 5.3,60.7 h1.02
J12: Bottom Overlay "1" at 46.2,8 h1.02 r270
J13: Top Overlay "KEEP OUT" at 42.775,12.575 h1 r180
J15: Bottom Overlay "1" at 59.2,13.6 h1.02 r270
JP1: Top Overlay "1" at 1.4,18.1 h1.02 r270
JP2: Top Overlay "1" at 0.3,88.2 h1.02 r270
Q7: Top Overlay "1" at 13.1,19.2 h1.02 r270
U17: Top Overlay "1" at 42.3,77 h1.02
U19: Bottom Overlay "1" at 1.1,52.8 h1.02 r180